# Altium PCB PCB_Rev2.PcbDoc (continued)
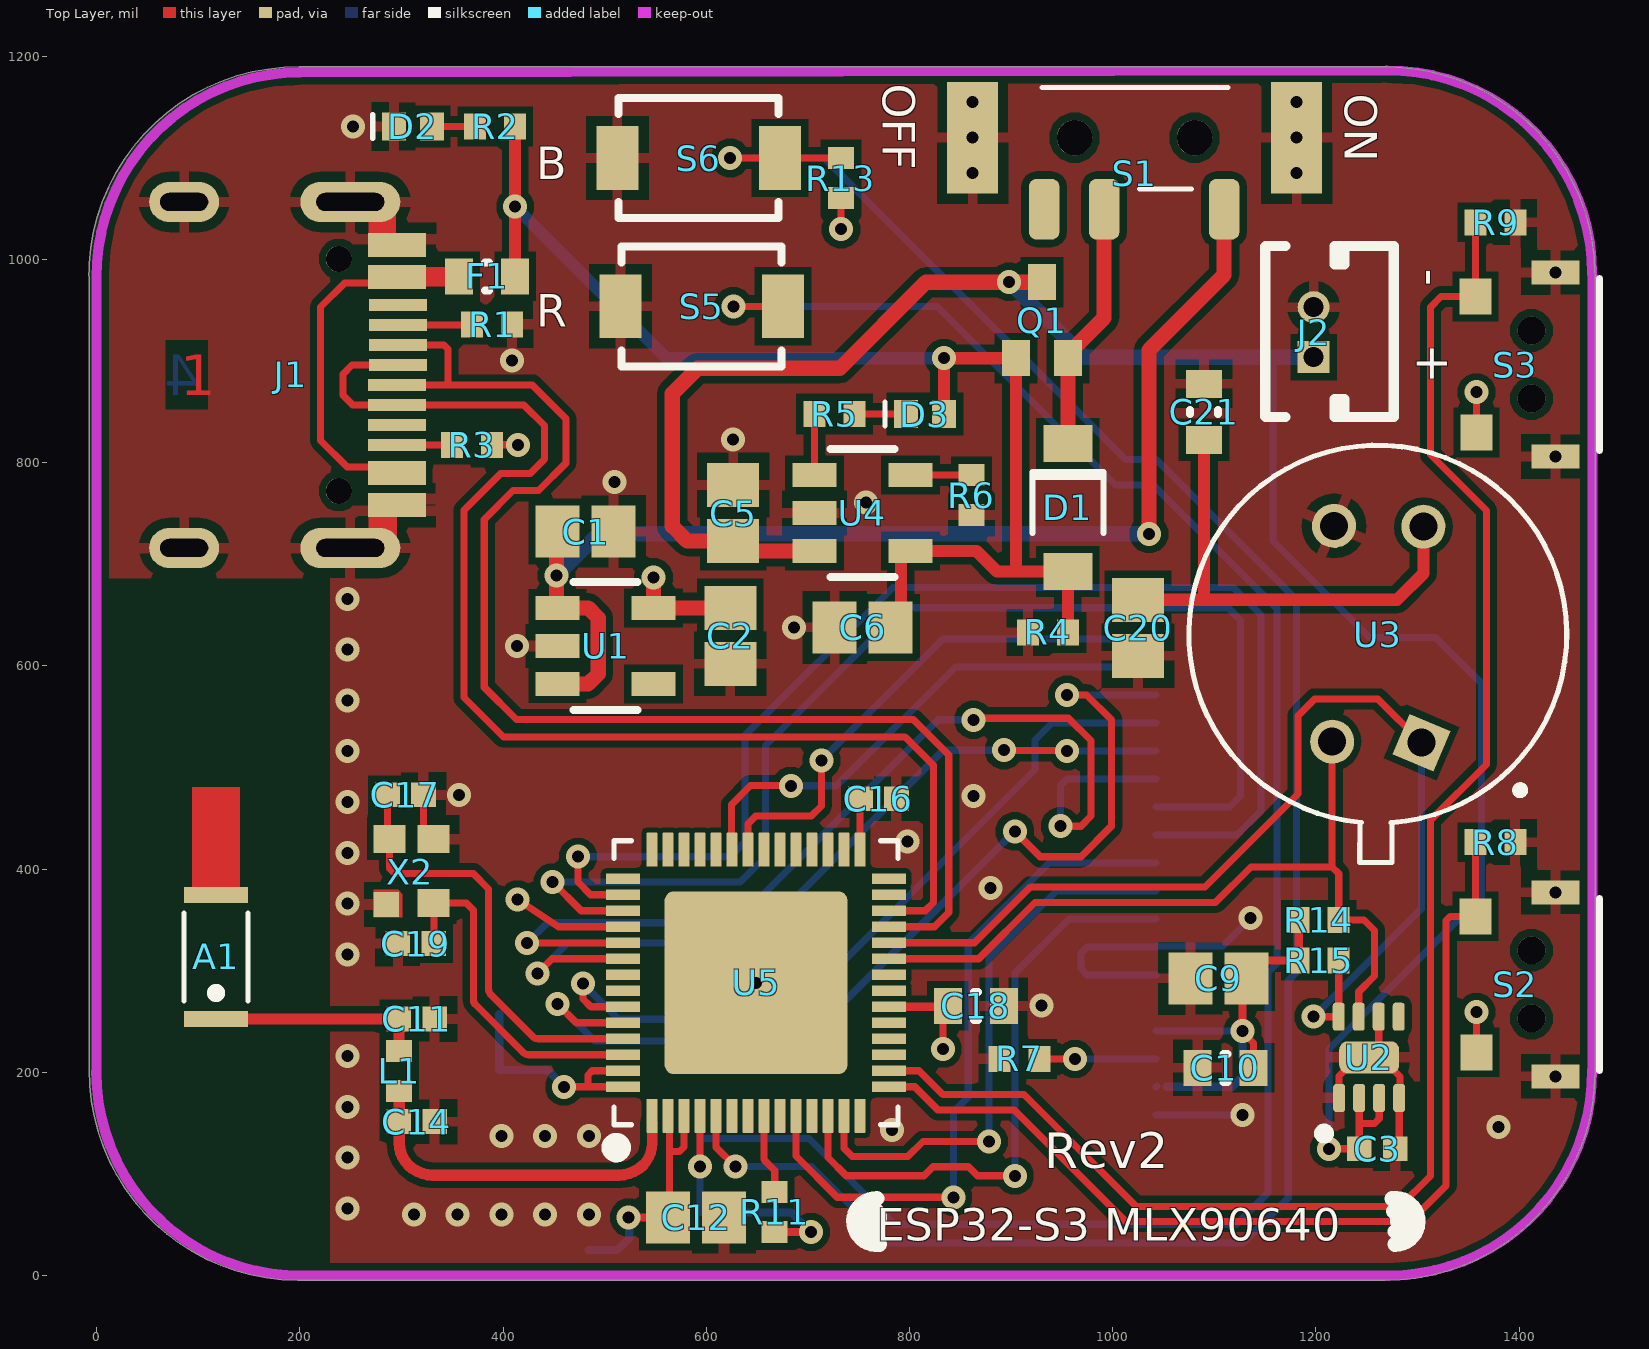
[diagram p0: Top Layer view]
## Components (designator, comment, footprint, x,y, rotation, side; value= is the part's Value field where it differs from the comment)
A1 "ANT3216LL00R2400A" ANT3216LL00R2400A 117.59,313.42 r90 top value="Chip Antenna"
C1 "10uF" CAPC2012X140N 481.29,732.1 r0 top
C2 "10uF" CAPC2012X140N 623.73,629.54 r270 top
C3 "0.1uF" CAPC1005X56N 1260.43,124.64 r0 top
C5 "10uF" CAPC2012X140N 626.55,750.36 r90 top
C6 "4.7uF" CAPC2012X140N 754,637.8 r180 top
C7 "1uF" CAPC1608X09L 368.73,257.1 r180 bottom
C8 "0.1uF" CAPC1608X09L 368.73,202.1 r180 bottom
C9 "10uF" CAPC2012X140N 1104.07,292.38 r180 top
C10 "0.1uF" CAPC1608X09L 1111.07,204.38 r180 top
C11 "TBD" CAPC1005X56N 315.1,252.39 r0 top
C12 "10uF" CAPC2012X140N 589.98,57.09 r0 top
C13 "0.1uF" CAPC1005X56N 466.4,25 r180 bottom
C14 "TBD" CAPC1005X56N 315.1,151.39 r0 top
C15 "1uF" CAPC1005X56N 611.45,162.1 r0 bottom
C16 "1uF" CAPC1005X56N 769.45,469.1 r0 top
C17 "10pF" CAPC1005X56N 304.01,473.09 r0 top
C18 "1uF" CAPC1608X09L 865.36,265.4 r180 top
C19 "10pF" CAPC1005X56N 314.18,326.54 r180 top
C20 "10uF" CAPC2012X140N 1025,637.44 r270 top
C21 "0.1uF" CAPC1608X09L 1090,850 r90 top
D1 "MBR0520-TP" SOD123 956.04,755.8 r270 top value=MBR0520
D2 "Green Led" LED1005X40N-Green 311.18,1130.9 r0 top
D3 "Red Led" LED1005X40N-Red 815.26,847.8 r0 top
F1 "PTC" "RESC1608X06L (0603 FOOTPRINT)" 384.36,983.4 r180 top
J1 "USB-C" TYPE-C-31-M-12 93.97,715.98 r270 top locked
J2 "1.5mm" 0530470260 1150.64,1013.04 r270 top value=0530470260
L1 "TBD" INDC1005X40L 297.82,201.08 r270 top
Q1 "LP1480WT1G" SC-70 930.45,940.2 r90 top
R1 "5.1K" "RESC1005X40L (0402 FOOTPRINT)" 389.27,935.93 r180 top
R2 "22K" "RESC1005X40L (0402 FOOTPRINT)" 392.23,1130.9 r0 top
R3 "5.1K" "RESC1005X40L (0402 FOOTPRINT)" 369.37,817.53 r180 top
R4 "100K" "RESC1005X40L (0402 FOOTPRINT)" 936.36,632.8 r180 top
R5 "4.7K" "RESC1005X40L (0402 FOOTPRINT)" 726.24,847.8 r180 top
R6 "4K" "RESC1005X40L (0402 FOOTPRINT)" 861.04,768.11 r90 top
R7 "10R" "RESC1005X40L (0402 FOOTPRINT)" 908.2,213.12 r180 top
R8 "10K" "RESC1005X40L (0402 FOOTPRINT)" 1376.77,426.38 r180 top
R9 "10K" "RESC1005X40L (0402 FOOTPRINT)" 1376.89,1036.5 r180 top
R10 "10K" "RESC1005X40L (0402 FOOTPRINT)" 613.41,62.1 r0 bottom
R11 "10K" "RESC1005X40L (0402 FOOTPRINT)" 667.42,62.41 r90 top
R13 "10K" "RESC1005X40L (0402 FOOTPRINT)" 732.55,1080.11 r90 top
R14 "2K" "RESC1005X40L (0402 FOOTPRINT)" 1202.87,349.8 r0 top
R15 "2K" "RESC1005X40L (0402 FOOTPRINT)" 1202.87,309.8 r0 top
S1 "SWITCH SLIDE" K3-1296S-E1 1021.63,1084.38 r180 top
S2 "Push" 1TS003B-1600-3500A-CT 1412.2,286.5 r270 top locked value="Switch R/A Micro"
S3 "Push" 1TS003B-1600-3500A-CT 1412.2,896.5 r270 top locked value="Switch R/A Micro"
S5 "=Value" TL1015AF160QG 595.55,953.8 r180 top locked
S6 "=Value" TL1015AF160QG 592.55,1099.8 r180 top locked
U1 "HT7833" SOT95P280X144-5N 500.97,619.5 r0 top
U2 "MAX17048G+" DFN-8_Smaller 1252.32,214.64 r90 top
U3 "MLX90640ESF-BAB-000-TU" MLX90640ESF 1262.55,634.8 r157 top locked value=MLX90640
U4 "MCP73831T-2ACI/OT" SOT95P280X144-5N 753.8,750.4 r0 top value=MCP73831T-2ACI
U5 "ESP32-S3FN8" "QFN56_0.4mm pitch - Rev2" 649.04,288.04 r90 top locked
X1 "TFT_1.69\"" "TFT_GLASS 1.69 INCH 8-BIT" 1042.89,392.25 r0 bottom locked
X2 "40 Mhz" OSC20X16 308.47,397.22 r90 top

## Footprints (in the part's own frame and the unit in brackets; to place one, negate y for a bottom-side part, rotate by r counter-clockwise, add the part's x,y. Pads: shape width x height; smd on the part's side, far side on the other; paste and mask are expansions set on the pad)
1TS003B-1600-3500A-CT [mm] "SWITCH TACTILE R/A MICRO"
  rect 0.9x0.8 smd: 1(-1.7,-1.4) 2(1.7,-1.375)
  rect 0.6x1.2 smd: 3(-2.3,0.6) 3(2.3,0.6)
  round 0.7 hole 0.7 unplated: ""(-0.85,0) ""(0.85,0)
  silkscreen extent -2.15,1.7 2.15,1.7, body extent -2.4,-0.6 2.4,2, height 2.97
0530470260 [mm] "CONN HEADER MOLEX TOP 2POS 1.25MM"
  rect 0.8x0.8 hole 0.5: 1(2.775,1.2)
  round 0.8 hole 0.5: 2(1.525,1.2)
  silkscreen extent 0,-0.01 4.28,3.2, body extent 0.05,0.01 4.3,3.21, height 4.08
ANT3216LL00R2400A [mm] "2.4G Chip Antenna"
  rect 0.4x1.6 smd: 1(-1.55,0) 2(1.55,0)
  Top Layer region: 1.7,-0.6 4.25,-0.6 4.25,0.6 1.7,0.6
  silkscreen extent -1.1,-0.8 1.1,0.8, body extent -1.6,-0.8 1.6,0.8, height 1.21
CAPC1005X56N [mm] "Chip Capacitor, 2-Leads, Body 1.0x0.5mm, IPC Medium Density (0402 ceramic)"
  rect 0.62x0.62 smd: 1(-0.45,0) 2(0.45,0)
  body extent -0.55,-0.3 0.55,0.3, height 0.6
CAPC1608X09L [mm] "Chip Capacitor, 2-Leads, Body 1.6x0.8mm, IPC High Density (0603 dense)"
  rect 0.7x0.9 smd: 1(-0.7,0) 2(0.7,0)
  silkscreen extent -0.05,-0.35 0.05,0.35, body extent -0.89,-0.48 0.88,0.48, height 1.03
CAPC2012X140N [mm] "Chip Capacitor, 2-Leads, Body 2.0x1.3mm, IPC Medium Density (0805 ceramic)"
  rect 1.1x1.3 smd: 1(-0.7,0) 2(0.7,0)
  body extent -1,-0.62 1,0.63, height 1.24
DFN-8_Smaller [mm] "DFN, 8-Leads, Body 2.50x2.50mm, Pitch 0.50mm, Thermal Pad"
  rrect50% 0.7x0.3 smd: 1(-1.016,0.744) 2(-1.016,0.244) 3(-1.016,-0.256) 4(-1.016,-0.756) 5(1.016,-0.744) 6(1.016,-0.244) 7(1.016,0.256) 8(1.016,0.756)
  rrect50% 0.8x1.5 smd: 9(0,-0.006)
  silkscreen extent -2.03,1 -1.78,1.25, body extent -1.02,-1.01 1.03,0.99, height 0.7
INDC1005X40L [mm] "Chip Inductor, 2-Leads, Body 1.0x0.5mm, IPC Medium Density (0402)"
  rect 0.55x0.65 smd: 1(-0.5,0) 2(0.5,0)
  body extent -0.56,-0.26 0.56,0.26, height 0.65
K3-1296S-E1 [mil] "Toggle Switches SMD RoHS"
  rrect50% 30x60 smd: 1(89.06,35) 2(30,35) 3(-88.11,35)
  rect 50x110 smd: 4(-159.45,-35.43) 4(159.45,-35.43)
  round 35 hole 35 unplated: ""(-59.06,-35.43) ""(59.06,-35.43)
  silkscreen extent -92,-85 91,15, body extent -157,-149 158,59, height 60
LED1005X40N-Green [mm] "Chip LED 2-Leads, Body 1.0x0.5mm, (0402)"
  rect 0.6x0.7 smd: 1(-0.475,0) 2(0.475,0)
  silkscreen extent -1,-0.3 -1,0.3, body extent -0.5,-0.3 0.5,0.3, height 0.2
LED1005X40N-Red [mm] "Chip LED 2-Leads, Body 1.0x0.5mm, (0402)"
  rect 0.6x0.7 smd: 1(-0.475,0) 2(0.475,0)
  silkscreen extent -1,-0.3 -1,0.3, body extent -0.5,-0.3 0.5,0.3, height 0.2
MLX90640ESF [mm] "Thermal Image Sensor 32H x 24V TO-39"
  rect 1.1x1.1 hole 0.7: 1(-2.065,2.169)
  round 1.1 hole 0.7: 2(0,-2.818) 3(2.065,-1.963) 4(0,3.022)
  silkscreen extent -4.9,-4.62 4.72,5.53, body extent -6.93,-6.58 6.58,6.93, height 11.55
OSC20X16 [mm] "Crystal 2.0mm x 1.60mm 0.5mm height"
  rect 0.7x0.8 smd: 1(-0.783,-0.591) 2(0.817,-0.591) 3(0.817,0.509)
  rect 0.635x0.635 smd: 4(-0.817,0.591)
  Top Layer region: -1.138,0.196 -0.554,0.196 -0.453,0.298 -0.453,0.907 -1.138,0.907
  body extent -1.01,-0.87 1.04,0.78, height 0.4
"QFN56_0.4mm pitch - Rev2" [mm] "QFN, 56-Leads, Body 7x7mm, Pitch 0.4mm, IPC Medium Density"
  rrect10% 0.85x0.267 smd: 1(-3.326,2.6) 2(-3.326,2.2) 3(-3.326,1.8) 4(-3.326,1.4) 5(-3.326,1) 6(-3.326,0.6) 7(-3.326,0.2) 8(-3.326,-0.2) 9(-3.326,-0.6) 10(-3.326,-1) 11(-3.326,-1.4) 12(-3.326,-1.8) 13(-3.326,-2.2) 14(-3.326,-2.6) 29(3.326,-2.6) 30(3.326,-2.2) 31(3.326,-1.8) 32(3.326,-1.4) 33(3.326,-1) 34(3.326,-0.6) 35(3.326,-0.2) 36(3.326,0.2) 37(3.326,0.6) 38(3.326,1) 39(3.326,1.4) 40(3.326,1.8) 41(3.326,2.2) 42(3.326,2.6)
  rrect10% 0.267x0.85 smd: 15(-2.6,-3.326) 16(-2.2,-3.326) 17(-1.8,-3.326) 18(-1.4,-3.326) 19(-1,-3.326) 20(-0.6,-3.326) 21(-0.2,-3.326) 22(0.2,-3.326) 23(0.6,-3.326) 24(1,-3.326) 25(1.4,-3.326) 26(1.8,-3.326) 27(2.2,-3.326) 28(2.6,-3.326) 43(2.6,3.326) 44(2.2,3.326) 45(1.8,3.326) 46(1.4,3.326) 47(1,3.326) 48(0.6,3.326) 49(0.2,3.326) 50(-0.2,3.326) 51(-0.6,3.326) 52(-1,3.326) 53(-1.4,3.326) 54(-1.8,3.326) 55(-2.2,3.326) 56(-2.6,3.326)
  rrect10% 4.572x4.572 smd paste-4: 57(0,0)
  silkscreen extent -4.3,-3.55 3.55,3.67, body extent -3.5,-3.5 3.5,3.5, height 0.8
"RESC1005X40L (0402 FOOTPRINT)" [mm] "Chip Resistor, 2-Leads, Body 1.0x0.5mm, IPC Medium Density (0402)"
  rect 0.55x0.65 smd: 1(-0.5,0) 2(0.5,0)
  body extent -0.57,-0.27 0.58,0.28, height 0.41
"RESC1608X06L (0603 FOOTPRINT)" [mm] "Chip Resistor, 2-Leads, Body 1.6x0.8mm, IPC High Density (0603 dense)"
  rect 0.7x0.9 smd: 1(-0.7,0) 2(0.7,0)
  silkscreen extent -0.05,-0.35 0.05,0.35, body extent -0.85,-0.4 0.85,0.4, height 0.56
SC-70 [mm] "SOT23, 3-Leads, Body 2x1.25mm, Pitch 0.65mm"
  rect 0.9x0.7 smd: 1(-0.95,0.65) 2(-0.95,-0.65) 3(0.95,0)
  body extent -1.2,-1.1 1.2,1.1, height 1
SOD123 [mil] "Molded Diode, 2-Leads, Body 2.85x1.8mm, IPC Medium Density (SOD123)"
  rect 36x48 smd: 1(-63,0) 2(63,0)
  silkscreen extent -35,-35 25,35, body extent -73,-31 73,31, height 50
SOT95P280X144-5N [mm] "SOT23, 5-Leads, Body 3.1x3.0mm (max), Pitch 0.95mm, IPC Medium Density (RFMD SOT23-5)"
  rect 1.1x0.6 smd: 1(-1.2,0.95) 2(-1.2,0) 3(-1.2,-0.95) 4(1.2,-0.95) 5(1.2,0.95)
  silkscreen extent -0.8,-1.6 0.8,1.6, body extent -1.4,-1.45 1.4,1.45, height 1.45
"TFT_GLASS 1.69 INCH 8-BIT" [mm] "TFT_GLASS 8-BIT 1.69 INCH ROUNDED"
  rect 3x0.35 smd: 1(0,-5.95) 2(0,-5.25) 3(0,-4.55) 4(0,-3.85) 5(0,-3.15) 6(0,-2.45) 7(0,-1.75) 8(0,-1.05) 9(0,-0.35) 10(0,0.35) 11(0,1.05) 12(0,1.75) 13(0,2.45) 14(0,3.15) 15(0,3.85) 16(0,4.55) 17(0,5.25) 18(0,5.95)
  silkscreen extent -26.55,-20.12 10.85,9.95, body extent -26.64,-20.15 10.84,10.04, height 2.54
TL1015AF160QG [mm] "SWITCH TACTILE SPST-NO 0.05A 12V"
  rect 1.05x1.59 smd: 1(-2.032,0) 2(2.032,0)
  silkscreen extent -2,-1.5 2,1.5, body extent -2.3,-1.5 2.3,1.5, height 2
TYPE-C-31-M-12 [mm] "USB-C Connector"
  oval 1x2.5 hole 0.45 slot 1.7 at 90 deg: 1(-8.65,3.955) 1(0,3.955)
  oval 1x1.75 hole 0.45 slot 1.2 at 90 deg: 1(-8.65,-0.2) 1(0,-0.2)
  rect 0.3x1.45 smd: A1(-7.726,5.119) A4(-6.926,5.117) A5(-5.575,5.142) A6(-4.575,5.142) A7(-4.075,5.117) A8(-3.075,5.117) A9(-1.727,5.117) A12(-0.924,5.117) B1(-1.224,5.117) B4(-2.021,5.117) B5(-2.575,5.117) B6(-3.575,5.117) B7(-5.075,5.142) B8(-6.075,5.142) B9(-6.626,5.117) B12(-7.426,5.119)
  round 0.65 hole 0.65 unplated: ""(-7.225,3.667) ""(-1.425,3.667)
  body extent -8.82,-1.89 0.12,5.01, height 3.31

## Part data
A1: "Antenna Chip 2.4Gig", Manufacturer=YAGEO, Part_Number=ANT3216LL00R2400A, Vendor=LCSC
C1 C2 C5 C12 C20: library part CAP_0805, "CAP 10uF 50V 0805", Part_Footprint=0805
C3 C13: library part CAP_0402, "CAP 0.1uF 0402", Part_Footprint=0402
C6: library part CAP_0805, "CAP 4.7uF 0805", Part_Footprint=0805
C7 C18: library part CAP_0603, "CAP 1uF 0603", Part_Footprint=0603
C8 C10 C21: library part CAP_0603, "CAP 0.1uF 0603", Part_Footprint=0603
C9: library part CAP_0805, "CAP 10uF 0805", Part_Footprint=0805
C11: library part CAP_0402, "CAP TBD 0402", Part_Footprint=0402
C14: library part CAP_0402, "CAP 0402", Part_Footprint=0402
C15 C16: library part CAP_0402, "CAP 1uF 0402", Part_Footprint=0402
C17 C19: library part CAP_0402, "CAP 10pF 0402", Part_Footprint=0402
D1: "DIODE SCHOTTKY 20V 500MA SOD-123", Manufacturer=Micro, Part_Footprint=SOD-123, Part_Number=C78746, Vendor=LCSC
D2: library part LED_0402_SMALL_GREEN, "LED Green 0402", Part_Footprint=0402, Part_Number=C74338, Vendor=LCSC
D3: library part LED_0402_SMALL_Red, "LED Red 0402", Manufacturer=Lite-On, Part_Footprint=0402, Part_Number=C364556, Vendor=LCSC
F1: library part PTC_FUSE_0603, "PTC FUSE 0.5mA hold, 1A trip 0603", Manufacturer="JDT Fuse", Part_Number=C2982257, Vendor=LCSC
J1: "CONN RECPT USB-C", Manufacturer=KHE, Part_Footprint=SMT, Part_Number=C165948, Vendor=LCSC
J2: library part Molex_onn_2Pin_1.25mm_Vert, "MIcro Conn 2POS 1.25mm Pitch Vertical", Manufacturer=Molex, Part_Number=0530470260, Vendor=Digi-Key
L1: library part Inductor, "Inductor TBD"
Q1: "MOSFET P-CH 20V 1.4A SC-70", Manufacturer=LRC, Part_Footprint=SC-70, Part_Number=C172434, Vendor=LCSC
R1 R3: library part RES_0402, "RES 5.1K 0402", Part_Footprint=0402
R2: library part RES_0402, "RES 22K 0402", Part_Footprint=0402
R4: library part RES_0402, "RES 100K 0402", Part_Footprint=0402
R5: library part RES_0402, "RES 4.7K 0402", Part_Footprint=0402
R6: library part RES_0402, "RES 4K 0402", Part_Footprint=0402
R7: library part RES_0402, "RES 10R 0402", Part_Footprint=0402
R8 R9 R10 R11 R13: library part RES_0402, "RES 10K 0402", Part_Footprint=0402
R14 R15: library part RES_0402, "RES 2K 0402", Part_Footprint=0402
S1: library part K3-1296S-E1, "SWITCH SLIDE SMD", Manufacturer="Korean Hroparts Elec", Part_Number=K3-1296S-E1, Vendor=LCSC
S2 S3: library part "SWITCH TACTILE R/A_MICRO", "SWITCH TACTILE R/A MICRO", Manufacturer=HYP, Part_Number=C255808, Vendor=LCSC
S5 S6: library part TL1015AF160QG, "SWITCH MOMENTARY", Part_Footprint=SMD, Part_Number=TL1015AF160QG, Vendor=Digi-Key
U1: "IC LDO 3.3V 0.5A SOT23-5", Manufacturer=Holtek, Part_Footprint=SOT23-5, Part_Number=C164106, Vendor=LCSC
U2: "IC BATT MON LI-ION 1CELL 8TDFN", Manufacturer="Analog Devices", Part_Number=MAX17048G+, Vendor=Digi-Key
U3: "Thermal Image Sensor TO-39", Manufacturer=Melexis, Part_Footprint=TO-39, Part_Number=MLX90640ESF-BAB-000-TU, Vendor=Digi-Key
U4: "Charger IC Lithium-Ion/Polymer SOT23-5", Manufacturer=Microchip, Part_Number=MCP73831T-2ACI/OT, Vendor=Digi-Key
U5: library part ESP32-S3, "WIFI/Bluetooth, 8M PSRAM, QFN-56 7x7", Manufacturer=Espressif, Part_Footprint=QFN56, Part_Number=ESP32-S3FN8
X1: library part "TFT_GLASS 1.69 INCH COLOR 8-BIT", "1.69 INCH TFT 8-BIT GLASS COLOR ROUNDED CORNERS", Manufacturer=BuyDisplay, Part_Number=ER-TFT1.69-1, Vendor=BuyDisplay
X2: library part 40Mhz, "CRYSTAL 40MHZ 10PF SMD", Manufacturer=ECS, Part_Number=ECS-400-10-37B2-CKM, Vendor=Digi-Key

## Via types
v1: diameter 23.62, hole 11.81, Top Layer to Bottom Layer, tented both sides, 87 vias

## Nets (pads, with @x,y where several pads share a name; then routed paths per layer and width w, separated by ;. In a path a pad name is that pad's centre, name@x,y a point inside that pad or via, vN(x,y) a via of type N, cw(c..) or ccw(c..) an arc to the next point about the centre after c; other vN are vias at no path point)
+3.3V: C2.1 C7.1 C8.1 C9.1 C10.1 C12.1 C13.1 C18.2 C20.1 C21.1 R10.2 R11.1 R13.1 R14.1 R15.1 S2.2 S3.2 U1.5 U3.2 U5.2 U5.3 U5.20 U5.46 U5.55 U5.56 X1.15 X1.17 | length 1925.2
  Top Layer w7: v1(414.4,370) 454.88,343.16 U5.46 ; v1(460.15,185.68) 483.73,185.68 ; U5.56 483.73,185.68 ; U5.55 487.83,201.43 483.73,197.33 483.73,185.68 ; 563.73,122.1 563.8,122.1 ; C12.1@563.8,57.4 563.8,122.1 ; U5.2@563.8,157.4 563.8,122.1 ; U5.3 578.17,126.54 573.73,122.1 563.8,122.1 ; C2.1@623.53,656.9 C2.1 ; v1(732.55,1029.7) R13.1 ; v1(832.89,223) 832.89,260.48 836.83,264.42 C18.2 ; v1(1127.89,240.67) 1127.89,239.64 1138.63,228.9 C10.1 ; C9.1@1138.73,285.28 C9.1 C9.1@1149.04,309.8 ; S2.2 v1(1358.07,259.28) ; S3.2 v1(1358.07,869.28)
  Top Layer w8: v1(523.73,57.1) C12.1 ; R11.1 v1(703.11,42.72) ; U5.20 C18.2@836.83,264.42 ; v1(1127.89,240.67) 1127.89,274.44 C9.1@1138.73,285.28 ; C9.1@1149.04,309.8 R15.1 R14.1
  Top Layer w12: C20.1 1280,665 1305.9,690.9 U3.2 ; 1090,667.44 C21.1
  Top Layer w15: v1(548.22,686.9) U1.5 C2.1@623.53,656.9
  Bottom Layer w7: X1.17 X1.17@1043.59,186.26 ; X1.15 v1(1127.89,240.67)
  Bottom Layer w8: C7.1 C8.1 443.73,202.1 v1(460.15,185.68) ; C13.1 512.4,25 524.3,36.9 v1@524.3,56.2 ; R10.2 683.73,62.1 v1(703.11,42.72) ; X1.17@1052.89,185.67 1117.89,185.67 1127.89,195.67 v1(1127.89,240.67)
BUTTON_1: R8.2 S2.1 U5.15 | length 982.3
  Top Layer w7: U5.15 805.2,185.68 827.89,163 902.89,163 1012.89,53 1292.89,53 1328.32,88.43 1328.32,349.33 1332.42,353.43 S2.1 R8.2
BUTTON_2: R9.2 S3.1 U5.16 | length 1622.8
  Top Layer w7: U5.16 809.45,201.43 832.89,178 912.89,178 1022.89,68 1282.89,68 1312.89,98 1312.89,448 1367.89,503 1367.89,753 1312.89,808 1312.89,953 1323.32,963.43 S3.1 1357.08,1036.38 R9.2
D+: J1.A6 J1.B6 U5.26 | length 1278.3
  Top Layer w7: J1.A6 251.43,896.1 242.69,887.36 242.69,866.1 252.06,856.73 J1.B6 420.47,856.73 440.8,836.4 440.8,803.4 426.8,789.4 397.8,789.4 361.55,753.15 361.55,568.84 400.4,530 795.83,530 823.73,502.1 823.73,367.1 815.54,358.91 U5.26
D-: J1.A7 J1.B7 U5.25 | length 1283.2
  Top Layer w7: J1.A7 345.8,876.41 ; J1.B7 341.7,915.78 345.8,911.68 345.8,876.41 ; U5.25 824.79,343.16 838.73,357.1 838.73,512.1 803.73,547.1 413.3,547.1 381.55,578.84 381.55,744.15 409.8,772.4 434.8,772.4 461.8,799.4 461.8,843.4 428.78,876.41 345.8,876.41
EN: C15.1 R10.1 S5.1 U5.4 | length 2042.7
  Top Layer w7: v1(593.92,107.1) U5.4 ; v1(626.65,953.8) S5.1
  Bottom Layer w7: R10.1@593.92,62.1 v1(593.92,107.1) 593.92,134.6 ; C15.1@593.92,162.1 593.92,134.6 ; v1(626.65,953.8) 827.09,953.8 1002.89,778 1040.05,778 1161.9,656.15 1161.9,307.01 1152.89,298 1152.89,81.3 1121.98,50.4 785.43,50.4 701.23,134.6 593.92,134.6
GND: C1.2 C2.2 C3.2 C5.2 C6.2 C7.2 C8.2 C9.2 C10.2 C11.2 C12.2 C13.2 C14.2 C15.2 C16.2 C17.2 C18.1 C19.2 C20.2 C21.2 D2.1 J1.1 J1.A1 J1.A12 J1.B1 J1.B12 J2.2 R1.1 R3.1 R4.2 R6.1 R7.2 R8.1 R9.1 S1.4 S2.3 S3.3 S5.2 S6.2 U1.2 U2.1 U2.4 U2.6 U2.9 U3.3 U4.2 U5.57 X1.12 X1.13 X1.18 X2.2 X2.4 | length 661.5
  Top Layer w7: C17.2 321.72,439.42 X2.2 ; R3.1 v1(414.68,817.53) ; S5.2@504.55,942.8 S5.2 ; U2.1 1222.71,174.95 1222.71,196.21 1241.14,214.64 U2.9 ; U2.6 1261.92,224.01 U2.9 ; C3.2 1282.08,128.58 U2.4 1282.71,175.27 1282.71,195.89 1263.97,214.64 U2.9
  Bottom Layer w7: X1.18 v1(1127.89,158) ; X1.13 975.04,295.79 968.73,302.1 968.73,317.1 974.98,323.35 X1.12 1043.9,324.36 1108.34,324.36 v1(1135.9,351.92)
  other v1: 312.4,60 355.4,60 398.4,60 441.4,60 484.4,60 246.91,66 246.91,116 398.4,137.4 441.4,137.4 484.4,137.4 782.89,143 1379.88,145.9 246.91,166 1435.82,195.95 246.91,216 929.88,265.9 649.04,288.04 246.91,316 246.91,366 1435.82,377.05 879.8,381.4 246.91,416 798.22,426.9 246.91,466 863.22,471.9 356.72,473.09 246.91,516 246.91,566 246.91,616 413.73,619.5 686.44,637.8 246.91,666 757.48,760.9 509.88,780.9 1435.82,805.95 626.55,822.91 408.8,900.4 1435.82,987.05 862.18,1084.81 1181.08,1084.81 862.18,1119.81 1181.08,1119.81 252.48,1130.9 862.18,1154.81 1181.08,1154.81
IO0: R13.2 S6.1 U5.5 | length 2089.9
  Top Layer w7: U5.5 609.67,126.16 v1(628.73,107.1) ; v1(623.65,1099.8) S6.1 R13.2
  Bottom Layer w7: v1(623.65,1099.8) 716.09,1099.8 1012.89,803 1042.89,803 1180.9,664.98 1180.9,298 1172.89,289.98 1172.89,76.3 1128.49,31.9 778.93,31.9 703.73,107.1 v1(628.73,107.1)
LiPO: C3.1 C5.1 J2.1 Q1.3 U2.2 U2.3 U4.3 | length 2105.8
  Top Layer w7: C5.1 C5.1@636.36,712.99 ; v1(1212.89,124.64) C3.1 1242.71,149.64 ; U2.2 1242.71,149.64 ; U2.3 1262.4,154.32 1257.71,149.64 1242.71,149.64
  Top Layer w15: C5.1 581.21,722.8 566.63,737.38 566.63,867.99 591.44,892.8 731.44,892.8 816.24,977.6 Q1.3 ; C5.1@636.36,712.99 U4.3
  Bottom Layer w7: 1157.89,903 1157.89,723 1252.89,628 1317.89,628 1362.89,583 1362.89,373 1212.89,223 v1(1212.89,124.64)
  Bottom Layer w15: v1(897.89,978) 972.1,903.78 J2.1
NetA1_1: A1.1 C11.1 L1.1 | length 211.4
  Top Layer w11.13: A1.1@115.63,252.4 C11.1@295.82,252.4 ; L1.1@297.6,220.98 C11.1@297.6,252.18
NetC1_1: C1.1 S1.3 U1.1 U1.3 | length 1169.3
  Top Layer w7: U1.1@452.73,657.9 U1.1 ; C1.1@452.73,731.1 C1.1
  Top Layer w15: U1.1@452.73,657.9 v1(452.73,688.9) C1.1@452.73,731.1 ; U1.3 483.73,582.1 493.73,592.1 493.73,647.1 483.93,656.9 U1.1 ; v1(1035.73,729.9) 1035.73,910.73 1109.74,984.74 S1.3
  Bottom Layer w15: v1(452.73,688.9) 493.73,729.9 v1(1035.73,729.9)
NetC14_1: C14.1 L1.2 U5.1 | length 355.5
  Top Layer w10.2: 537.92,108.7 ccw(c516.5,130.13) 546.8,130.13 U5.1@546.8,150.4
  Top Layer w11.13: L1.2@297.94,181.27 297.94,130.13 ccw(c328.24,130.13) 306.82,108.7 ccw(c330.96,132.84) 330.96,98.7 513.8,98.7 ccw(c513.78,132.84) 537.92,108.7
NetC16_1: C16.1 U5.29 | length 50.1
  Top Layer w7: U5.29 C16.1@751.4,469.1
NetD1_1: D1.1 Q1.2 S1.2 | length 245.3
  Top Layer w7: Q1.2 Q1.2@956.04,906.73
  Top Layer w15: D1.1 Q1.2 ; Q1.2@956.04,906.73 991.63,942.32 S1.2
NetD2_2: D2.2 R2.1 | length 42.7
  Top Layer w7: D2.2 R2.1
NetD3_1: D3.1 R5.1 | length 50.6
  Top Layer w7: R5.1 D3.1
NetF1_2: F1.2 J1.A4 J1.A9 J1.B4 J1.B9 | length 302
  Top Layer w7: J1.B4 246.64,795.55 220.43,821.76 220.43,953.03 244.26,976.85 J1.B9
NetJ1_A5: J1.A5 R1.2 | length 72.7
  Top Layer w7: J1.A5 R1.2@369.12,935.47
NetJ1_B5: J1.B5 R3.2 | length 54.3
  Top Layer w7: J1.B5 R3.2@349.68,817.36
NetR5_2: R5.2 U4.1 | length 60
  Top Layer w7: U4.1 R5.2
NetR6_2: R6.2 U4.5 | length 60
  Top Layer w7: U4.5 R6.2
NetR7_1: R7.1 X1.16 | length 115
  Top Layer w7: R7.1 v1(962.89,213.12)
  Bottom Layer w7: v1(962.89,213.12) X1.16
NetR11_2: R11.2 U5.8 | length 79.4
  Top Layer w7: U5.8 656.91,113.92 667.42,103.41 R11.2
SCL: R14.2 U2.7 U3.4 U5.23 | length 785.4
  Top Layer w7: U5.23 868.3,311.67 923.73,367.1 1101.08,367.1 1136.09,402.11 1216.07,402.11 ; U3.4 1216.07,402.11 ; U2.7 1242.24,279.17 1257.71,294.64 1257.71,339.64 1247.55,349.8 R14.2 1222.55,395.63 1216.07,402.11
  Bottom Layer w7: U3.4 U3.4@1216.07,528.21
SDA: R15.2 U2.8 U3.1 U5.24 | length 1083.5
  Top Layer w7: U5.24 864.04,327.41 919.01,382.38 1091.02,382.38 1182.48,473.84 1182.48,550.9 1198.97,567.38 1261.04,567.38 U3.1 U3.1@1301.63,522.03 ; v1(1197.71,254.64) U2.8 R15.2
  Bottom Layer w7: v1(1197.71,254.64) 1304.01,360.94 U3.1
TFT_D0: U5.44 X1.8 | length 1234.7
  Top Layer w7: v1(473.73,412.1) 473.73,387.1 486.17,374.66 U5.44
  Bottom Layer w7: v1(473.73,412.1) 623.41,412.1 638.22,426.9 638.22,531.59 783.73,677.1 1118.73,677.1 1145.9,649.93 1145.9,456.92 1122.57,433.59 X1.8
TFT_D1: U5.45 X1.7 | length 1199.8
  Top Layer w7: v1(448.73,387.1) 476.92,358.91 U5.45
  Bottom Layer w7: v1(448.73,387.1) 633.41,387.1 658.22,411.9 658.22,521.59 793.73,657.1 1113.73,657.1 1125.9,644.93 1125.9,471.92 1115.13,461.15 X1.7
TFT_D2: U5.47 X1.6 | length 995.6
  Top Layer w7: v1(423.73,327.1) 423.89,327.26 517.93,327.26 U5.47 ; v1(863.22,546.9) 864.72,548.4 956.72,548.4 978.73,526.39 978.73,452.1 968.73,442.1 v1(948.73,442.1)
  Bottom Layer w7: v1(423.73,327.1) 443.73,347.1 628.41,347.1 828.22,546.9 v1(863.22,546.9) ; v1(948.73,442.1) 948.73,482.1 955.34,488.71 X1.6
TFT_D3: U5.48 X1.5 | length 790.9
  Top Layer w7: v1(433.73,297.1) 448.3,311.67 U5.48 ; v1(893.22,516.9) 893.54,516.58 955.02,516.58 v1(955.34,516.27)
  Bottom Layer w7: v1(433.73,297.1) 463.73,327.1 643.41,327.1 833.22,516.9 v1(893.22,516.9) ; v1(955.34,516.27) X1.5
TFT_D4: U5.51 X1.4 | length 776
  Top Layer w7: v1@480.01,285.82 v1(478.73,287.1) 478.73,272.1 486.41,264.42 U5.51
  Bottom Layer w7: v1(478.73,287.1) 513.73,252.1 677.99,252.1 923.73,497.84 923.73,527.1 940.45,543.82 X1.4
TFT_D5: U5.52 X1.3 | length 986.2
  Top Layer w7: v1(453.73,267.1) 472.15,248.67 U5.52 ; v1(903.73,437.1) 928.73,412.1 968.73,412.1 998.73,442.1 998.73,547.1 974.45,571.38 v1(955.34,571.38)
  Bottom Layer w7: v1(453.73,267.1) 489.93,230.9 697.53,230.9 v1(903.73,437.1) ; v1(955.34,571.38) X1.3
TFT_D6: U5.37 X1.2 | length 518.9
  Top Layer w7: U5.37 624.86,419.55 624.86,463.23 643.73,482.1 683.02,482.1 v1(683.22,481.9)
  Bottom Layer w7: v1(683.22,481.9) 728.22,481.9 845.26,598.94 X1.2
TFT_D7: U5.36 X1.1 | length 528.9
  Top Layer w7: U5.36 641.16,444.53 648.73,452.1 703.41,452.1 713.41,462.1 v1(713.41,506.9)
  Bottom Layer w7: v1@713.32,507 832.82,626.5 X1.1
TFT_DC: U5.12 X1.11 | length 600.4
  Top Layer w7: U5.12 719.9,115.93 737.76,98.07 814.38,98.07 823.22,106.9 858.22,106.9 867.05,98.07 v1(903.73,98.07)
  Bottom Layer w7: v1(903.73,98.07) 903.73,297.41 957.23,350.91 X1.11
TFT_RST: U5.10 X1.9 | length 684.9
  Top Layer w7: U5.10 688.41,117.42 728.93,76.9 v1(843.22,76.9)
  Bottom Layer w7: v1(843.22,76.9) 843.22,160.9 857.89,175.56 857.89,326.57 937.34,406.03 X1.9
TFT_WR: U5.13 X1.10 | length 556.2
  Top Layer w7: U5.13 735.65,125.18 743.73,117.1 798.41,117.1 813.22,131.9 v1(878.22,131.9)
  Bottom Layer w7: v1(878.22,131.9) 878.22,311.9 944.78,378.47 X1.10
VBUS: C6.1 D1.2 D3.2 F1.1 Q1.1 R2.2 R4.1 U4.4 | length 1274.5
  Top Layer w7: C6.1 C6.1@791.63,647.87 ; U4.4@791.63,704.68 799.94,712.99 U4.4
  Top Layer w12: F1.1 v1(411.92,1051.84) R2.2 ; C6.1@791.63,647.87 U4.4@791.63,704.68 ; U4.4 866.01,712.99 886.21,692.8 904.86,692.8 ; D3.2 v1(833.96,902.8) Q1.1 904.86,692.8 ; R4.1 D1.2 904.86,692.8
  Bottom Layer w12: v1(411.92,1051.84) 560.96,902.8 v1(833.96,902.8)
XTAL_N: C17.1 U5.53 X2.3 | length 431.6
  Top Layer w7: C17.1 286.29,431.54 X2.3 288.44,400.5 293.54,395.4 370.82,395.4 385.82,380.4 385.82,281.48 ccw(c392.82,281.48) 387.84,276.55 429.44,234.95 ccw(c434.37,239.93) 434.37,232.93 U5.53
XTAL_P: C19.1 U5.54 X2.1 | length 340.7
  Top Layer w7: C19.1 331.9,366.25 X2.1 363.82,366.4 370.82,359.4 370.82,271.48 ccw(c377.82,271.48) 372.84,266.55 420.19,219.21 ccw(c425.12,224.18) 425.12,217.18 U5.54
pads on no net: A1.2 J1. J1.A8 J1.B8 S1. S1.1 S2. S3. U1.4 U2.5 U5.6 U5.7 U5.9 U5.11 U5.14 U5.17 U5.18 U5.19 U5.21 U5.22 U5.27 U5.28 U5.30 U5.31 U5.32 U5.33 U5.34 U5.35 U5.38 U5.39 U5.40 U5.41 U5.42 U5.43 U5.49 U5.50 X1.14

## Polygon pours and split planes (outlines as drawn)
GND on Bottom Layer "NONET_L01_P-001" (solid, remove dead copper, pour order 1): -0.86,-4.62 1.56,-2.2 1480.16,-2.2 1480.16,1062.8 1335.16,1207.8 960.16,1207.8 960.16,1217.8 930.16,1247.8 930.16,1587.8 520.16,1587.8 520.16,1202.8 500.16,1202.8 480.16,1182.8 -4.84,1182.8 -4.84,-0.64
GND on Top Layer "NONET_L01_P-001" (solid, remove dead copper, pour order 0): -0.86,-4.62 1.56,-2.2 1480.16,-2.2 1480.16,1062.8 1360.16,1182.8 480.16,1182.8 -4.84,1182.8 -4.84,-0.64
+3.3V on MidLayer 2 (split plane): 199.06,1169.35 199.62,1169.3 483.3,1169.3 483.52,1169.32 483.63,1169.31 483.96,1169.31 1269.7,1169.31 1269.71,1169.31 1269.72,1169.31 1270.43,1169.38 1281.8,1169.01 1293.85,1167.82 1305.79,1165.85 1317.58,1163.1 1329.17,1159.59 1340.5,1155.32 1351.53,1150.33 1362.2,1144.62 1372.48,1138.23 1382.33,1131.17 1391.68,1123.49 1400.52,1115.22 1408.8,1106.38 1416.48,1097.02 1423.53,1087.18 1429.92,1076.9 1435.63,1066.22 1440.63,1055.19 1444.89,1043.86 1448.41,1032.28 1451.16,1020.49 1453.13,1008.54 1454.31,996.49 1454.61,987.56 1454.6,987.49 1454.62,987.28 1454.63,986.9 1454.62,986.9 1454.77,985.37 1454.92,983.6 1454.92,202.86 1454.85,201.43 1454.71,200.02 1454.78,200.02 1454.73,198.96 1454.75,198.83 1454.41,188.28 1453.22,176.23 1451.25,164.29 1448.5,152.5 1444.99,140.91 1440.72,129.58 1435.72,118.55 1430.02,107.88 1423.62,97.6 1416.57,87.75 1408.89,78.4 1400.61,69.56 1391.78,61.28 1382.42,53.6 1372.58,46.55 1362.3,40.16 1351.62,34.45 1340.59,29.45 1329.26,25.19 1317.68,21.67 1305.88,18.92 1293.94,16.95 1281.89,15.77 1269.79,15.37 1268.22,15.42 1267.66,15.48 229.68,15.48 229.68,686.4 12.88,686.4 12.88,982.66 12.71,984.42 12.57,986.18 12.54,986.34 12.81,994.64 12.83,995.16 12.89,995.75 12.86,996.05 12.87,996.49 14.06,1008.54 16.03,1020.49 18.78,1032.28 22.3,1043.86 26.56,1055.19 31.56,1066.22 37.26,1076.9 43.66,1087.18 50.71,1097.02 58.39,1106.38 66.67,1115.22 75.5,1123.49 84.86,1131.17 94.7,1138.23 104.98,1144.62 115.66,1150.33 126.69,1155.32 138.02,1159.59 149.61,1163.1 161.4,1165.85 173.34,1167.82 185.39,1169.01 197.49,1169.41
GND on MidLayer 1 (split plane): 199.06,1169.35 199.62,1169.3 483.3,1169.3 483.52,1169.32 483.63,1169.31 483.96,1169.31 1269.7,1169.31 1269.71,1169.31 1269.72,1169.31 1270.43,1169.38 1281.8,1169.01 1293.85,1167.82 1305.79,1165.85 1317.58,1163.1 1329.17,1159.59 1340.5,1155.32 1351.53,1150.33 1362.2,1144.62 1372.48,1138.23 1382.33,1131.17 1391.68,1123.49 1400.52,1115.22 1408.8,1106.38 1416.48,1097.02 1423.53,1087.18 1429.92,1076.9 1435.63,1066.22 1440.63,1055.19 1444.89,1043.86 1448.41,1032.28 1451.16,1020.49 1453.13,1008.54 1454.31,996.49 1454.61,987.56 1454.6,987.49 1454.62,987.28 1454.63,986.9 1454.62,986.9 1454.77,985.37 1454.92,983.6 1454.92,202.86 1454.85,201.43 1454.71,200.02 1454.78,200.02 1454.73,198.96 1454.75,198.83 1454.41,188.28 1453.22,176.23 1451.25,164.29 1448.5,152.5 1444.99,140.91 1440.72,129.58 1435.72,118.55 1430.02,107.88 1423.62,97.6 1416.57,87.75 1408.89,78.4 1400.61,69.56 1391.78,61.28 1382.42,53.6 1372.58,46.55 1362.3,40.16 1351.62,34.45 1340.59,29.45 1329.26,25.19 1317.68,21.67 1305.88,18.92 1293.94,16.95 1281.89,15.77 1269.79,15.37 1268.22,15.42 1267.66,15.48 229.68,15.48 229.68,685.4 12.88,685.4 12.88,982.66 12.71,984.42 12.57,986.18 12.54,986.34 12.81,994.64 12.83,995.16 12.89,995.75 12.86,996.05 12.87,996.49 14.06,1008.54 16.03,1020.49 18.78,1032.28 22.3,1043.86 26.56,1055.19 31.56,1066.22 37.26,1076.9 43.66,1087.18 50.71,1097.02 58.39,1106.38 66.67,1115.22 75.5,1123.49 84.86,1131.17 94.7,1138.23 104.98,1144.62 115.66,1150.33 126.69,1155.32 138.02,1159.59 149.61,1163.1 161.4,1165.85 173.34,1167.82 185.39,1169.01 197.49,1169.41

## Keep-outs
Keep-Out Layer:
  lines w10: -0.31,200 ccw(c199.69,200) 201.8,0.01 ; 0,188.92 0,981.89 cw(c199.99,984) 199.99,1184 1269.88,1185.9 cw(c1271.99,985.91) 1471.99,985.91 ; 199.69,0 1271.9,0 ccw(c1271.9,200) 1471.89,202.11 ; 1472.2,198.99 1472.2,984.01

## Other copper
Top Layer:
  rectangle net NetF1_2: 269.8,779.4 319.8,797.4
  rectangle net GND: 267.8,709.4 295.8,765.4
  rectangle net NetF1_2: 271.8,973.4 365.8,992.4
  rectangle net GND: 267.8,1003.4 294.8,1062.4
  pour cut-out: 229.8,-7.6 229.91,-7.49 229.91,686.04 -3.84,686.04 -0.86,683.05 -0.86,-4.62 226.81,-4.62
  pour cut-out: 535.47,401.91 760.35,401.91 760.35,176 535.47,176
  text "1" at 82.22,866.4 h40
Bottom Layer:
  pour cut-out: 231.56,-6.25 231.68,-6.13 231.68,687.4 -2.08,687.4 0.91,684.41 0.91,-3.26 228.58,-3.26
  text "4" at 101.22,866.4 h40
MidLayer 1 (plane layer: these items are gaps in the copper):
  pour cut-out: 229.56,-8.25 229.68,-8.13 229.68,685.4 -4.08,685.4 -1.09,682.41 -1.09,-5.26 226.58,-5.26
  text "2" at 74.8,866.4 h40
MidLayer 2 (plane layer: these items are gaps in the copper):
  pour cut-out: 229.56,-7.25 229.68,-7.13 229.68,686.4 -4.08,686.4 -1.09,683.41 -1.09,-4.26 226.58,-4.26
  text "3" at 75.8,866.4 h40

## Silkscreen, mask and mechanical layers (free items; w line width, h text height)
Top Overlay:
  lines w15: 767.91,75.62 ccw(c767.73,53.12) 770.46,30.78 ; 767.96,63.12 ccw(c767.89,53.12) 769.1,43.19 ; 1275.32,75.45 cw(c1278.04,53.11) 1277.87,30.62 ; 1276.68,63.04 cw(c1277.89,53.12) 1277.81,43.12
  lines w20: 767.89,53.12 767.89,58.12 ; 1282.89,53.12 1282.89,58.12
  text "OFF" at 762.89,1173 h55 r270
  text "ON" at 1217.89,1163 h55 r270
  text "B" at 432.89,1068 h55
  text "-" at 1323.83,973.39 h35 r90
  text "R" at 432.89,923 h55
  text "+" at 1294.33,882.56 h35
  text "Rev2" at 932.89,93.84 h60
  text "ESP32-S3 MLX90640" at 767.89,23.12 h55
Mechanical 1:
  lines w10: -0.31,200 ccw(c199.69,200) 201.8,0.01 ; 0,188.92 0,981.89 cw(c199.99,984) 199.99,1184 1269.88,1185.9 cw(c1271.99,985.91) 1471.99,985.91 ; 199.69,0 1271.9,0 ccw(c1271.9,200) 1471.89,202.11 ; 1472.2,198.99 1472.2,984.01
Mechanical 5:
  circle w4: c1261,632 r185.4
  lines w4: 1150,845 1150,1013 ; 1151,845 1276,845 ; 1151,1013 1276,1013 ; 1277,845 1277,1013
  lines w5: 1222,175 1222,255 1282,255 1282,175 1222,175
  text "U3" at 1263,622 h15

## Text inside footprints (layer, text, board x,y; h text height)
X1: Bottom Overlay "18" at 1019.26,126.5 h35 r180; Bottom Overlay "1" at 1037.89,693.43 h35 r180